# Altium PCB roach2.PcbDoc (part 1 of 39) (continued)
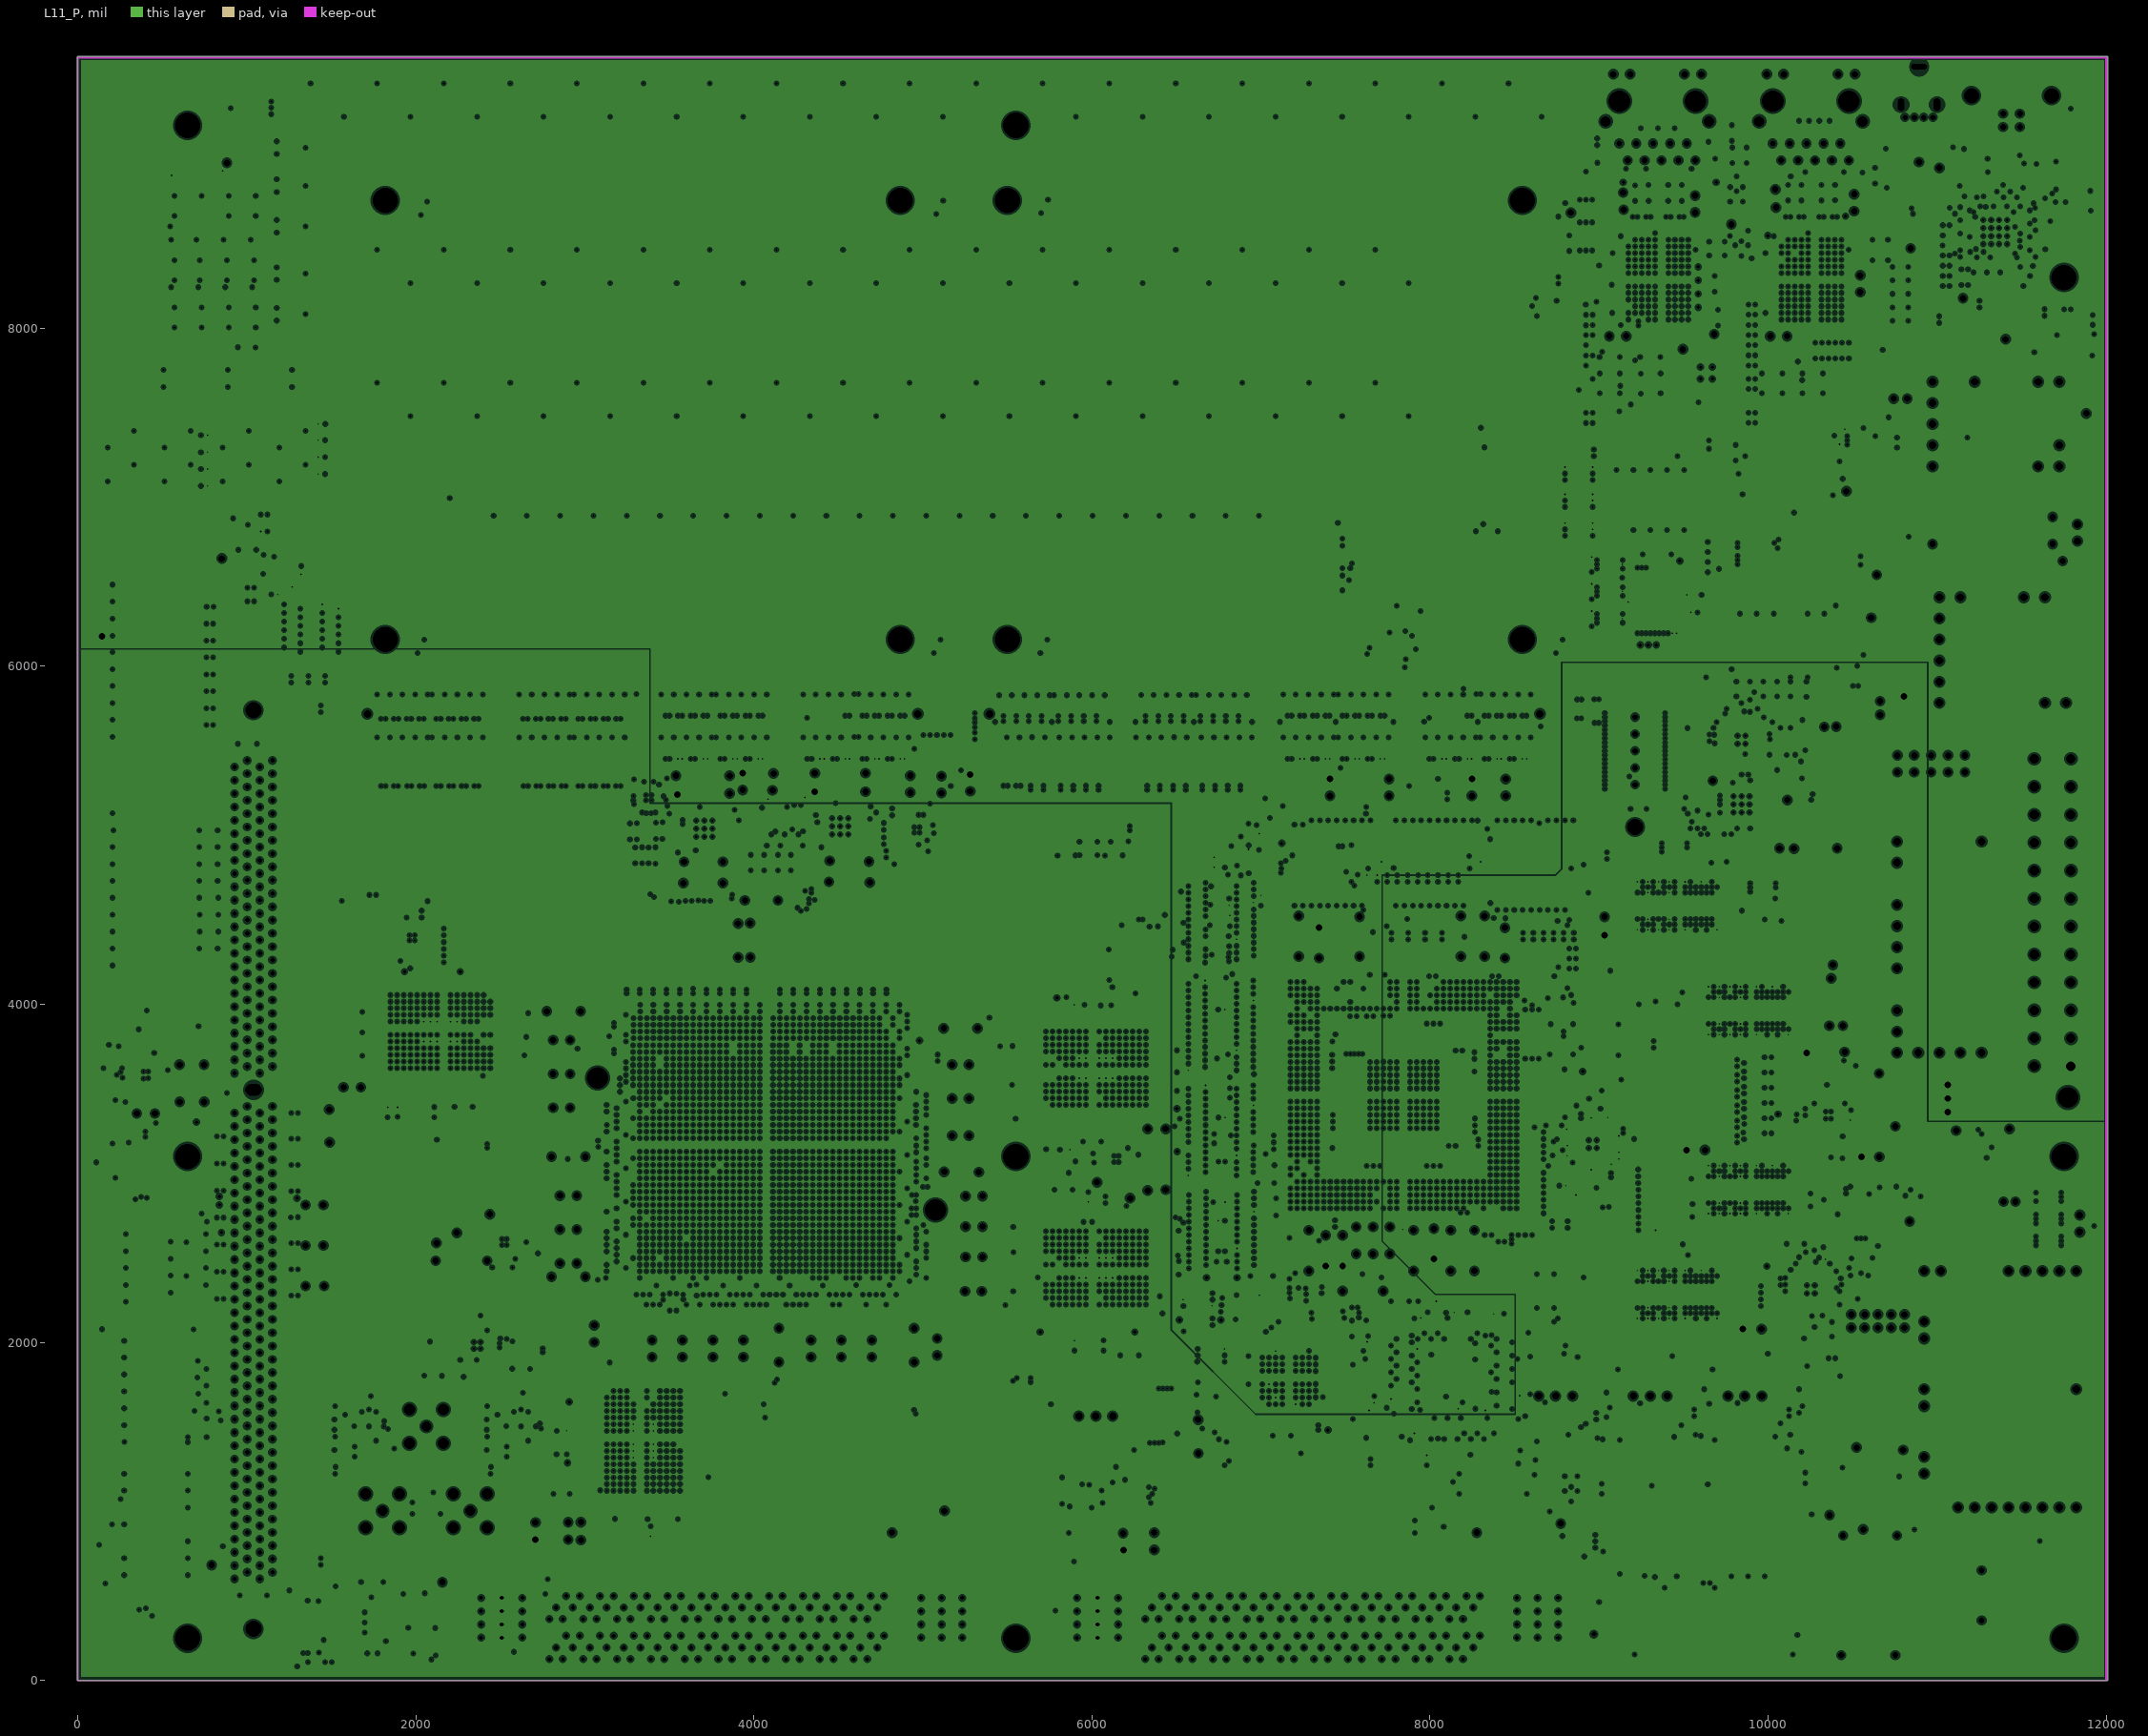
[diagram p11: L11_P, clearances drawn from the general rule]
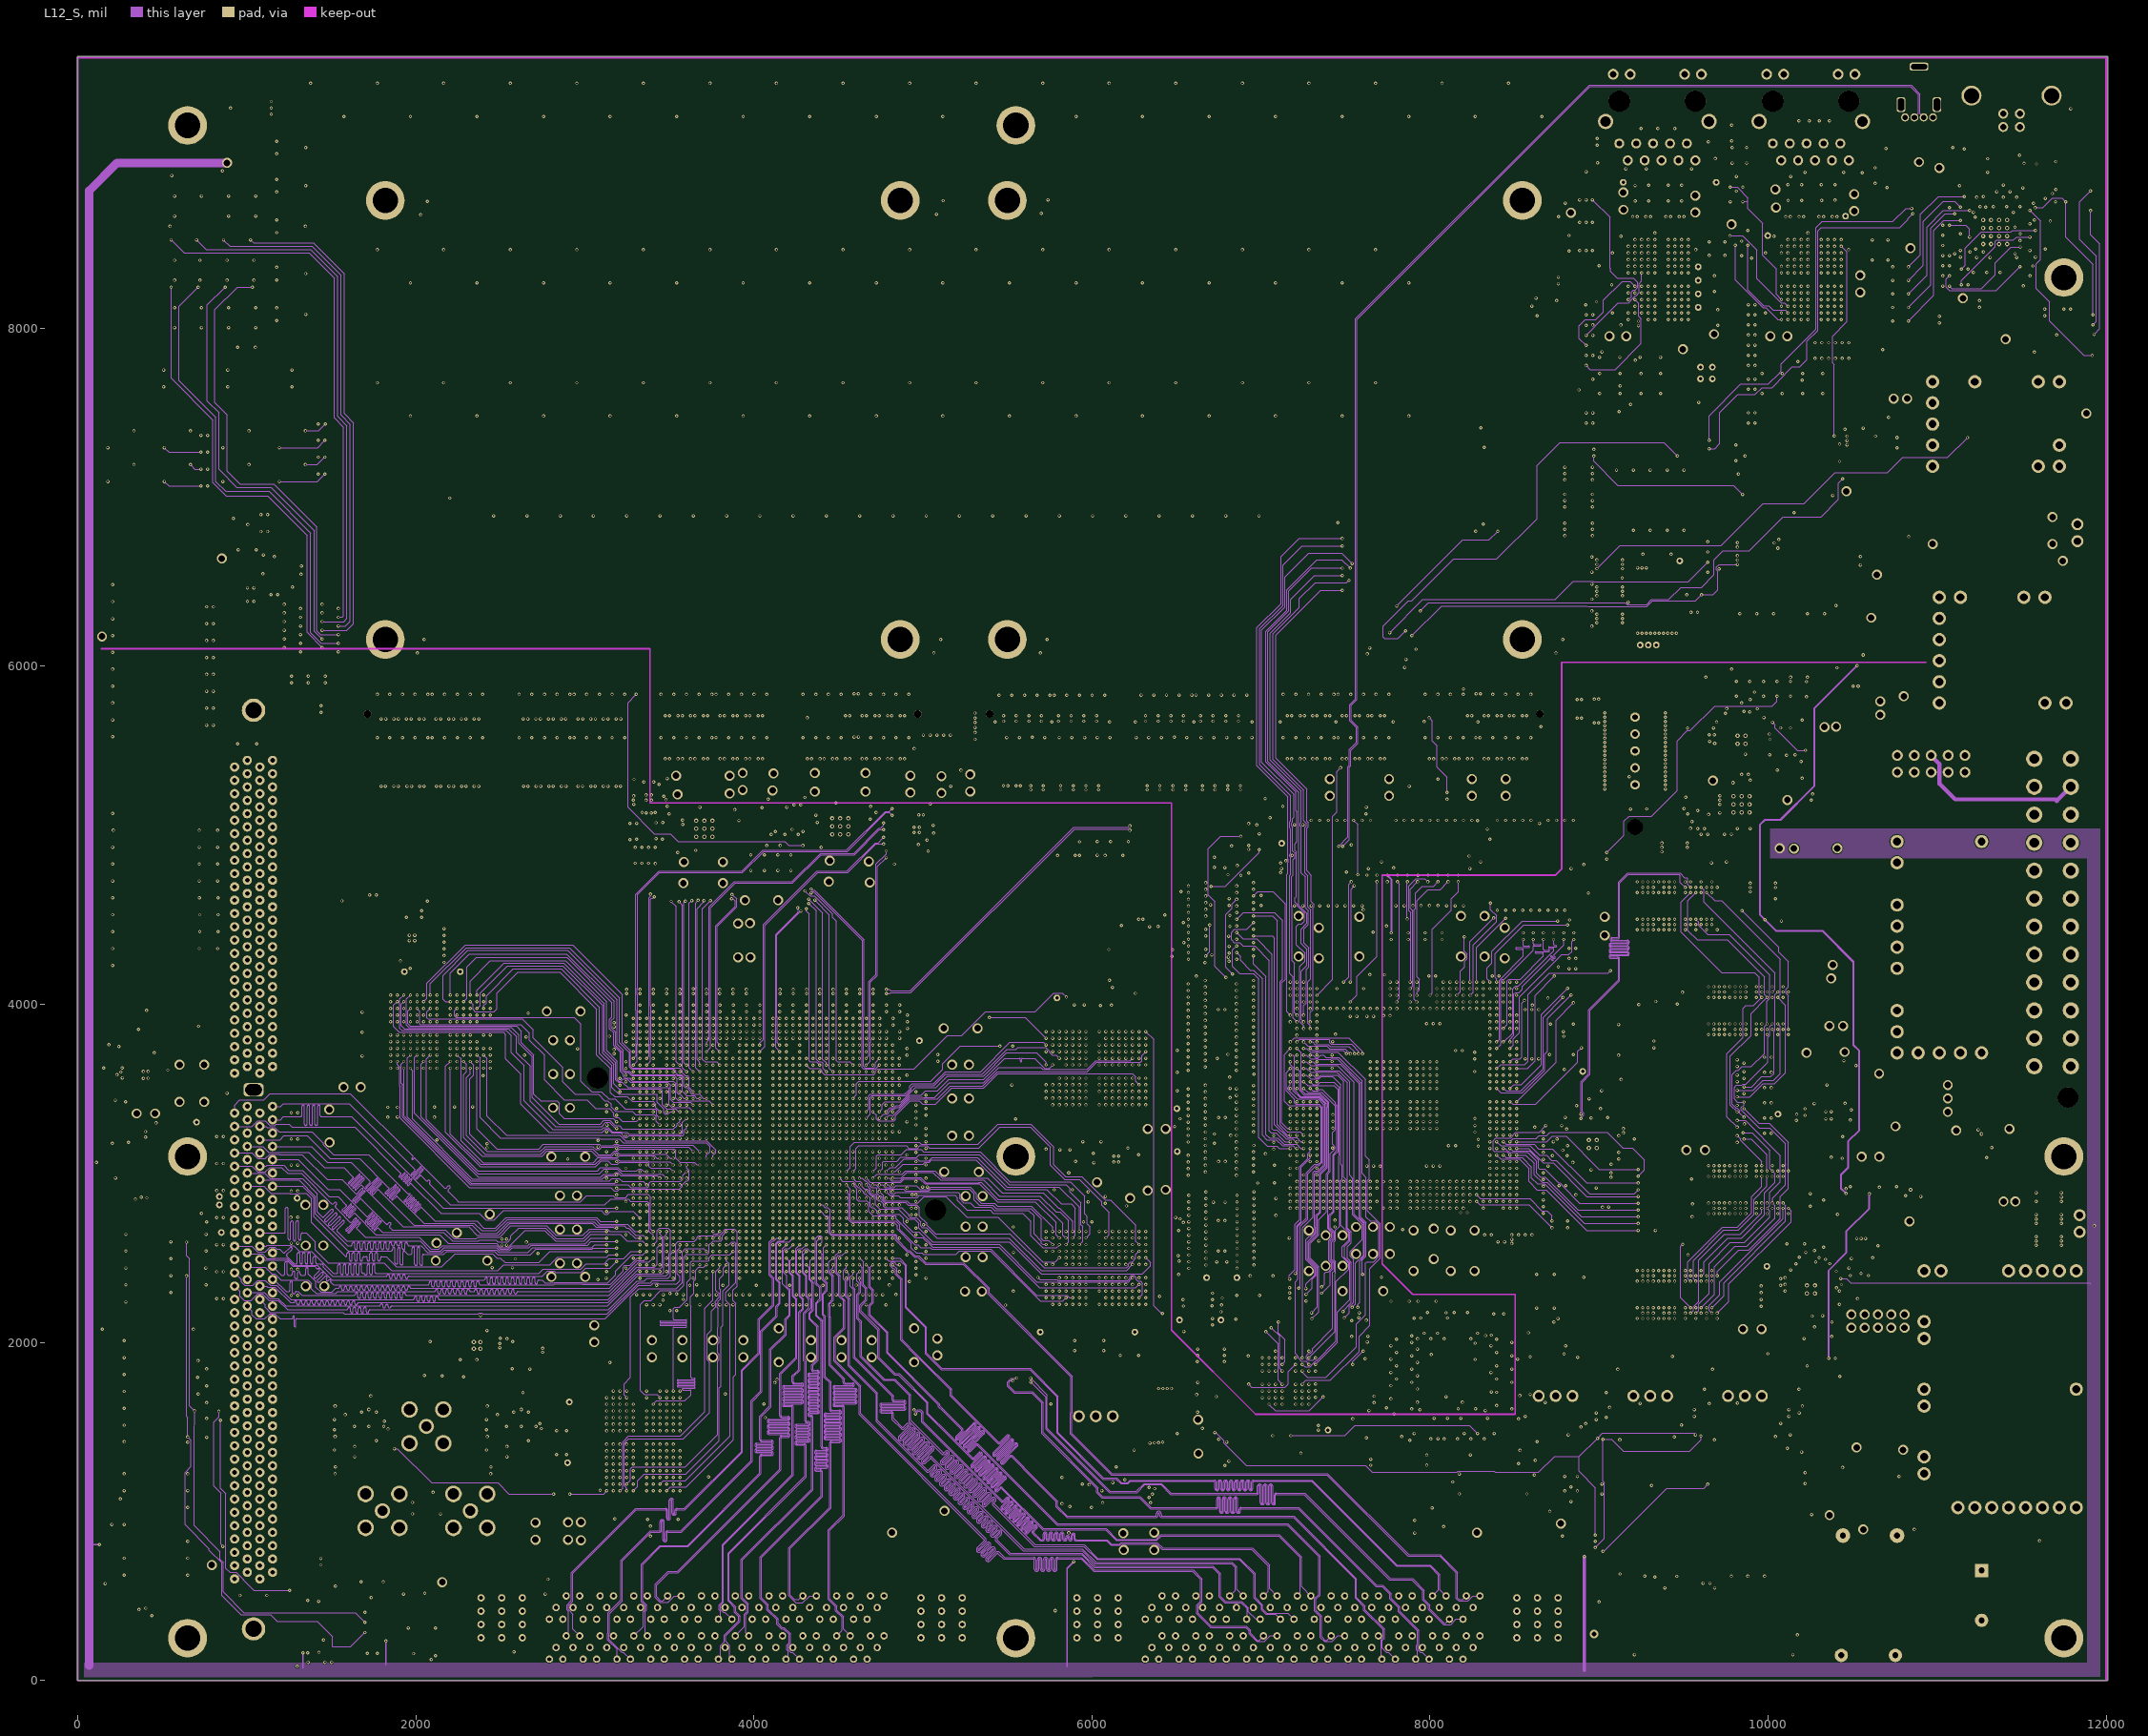
[diagram p12: L12_S]
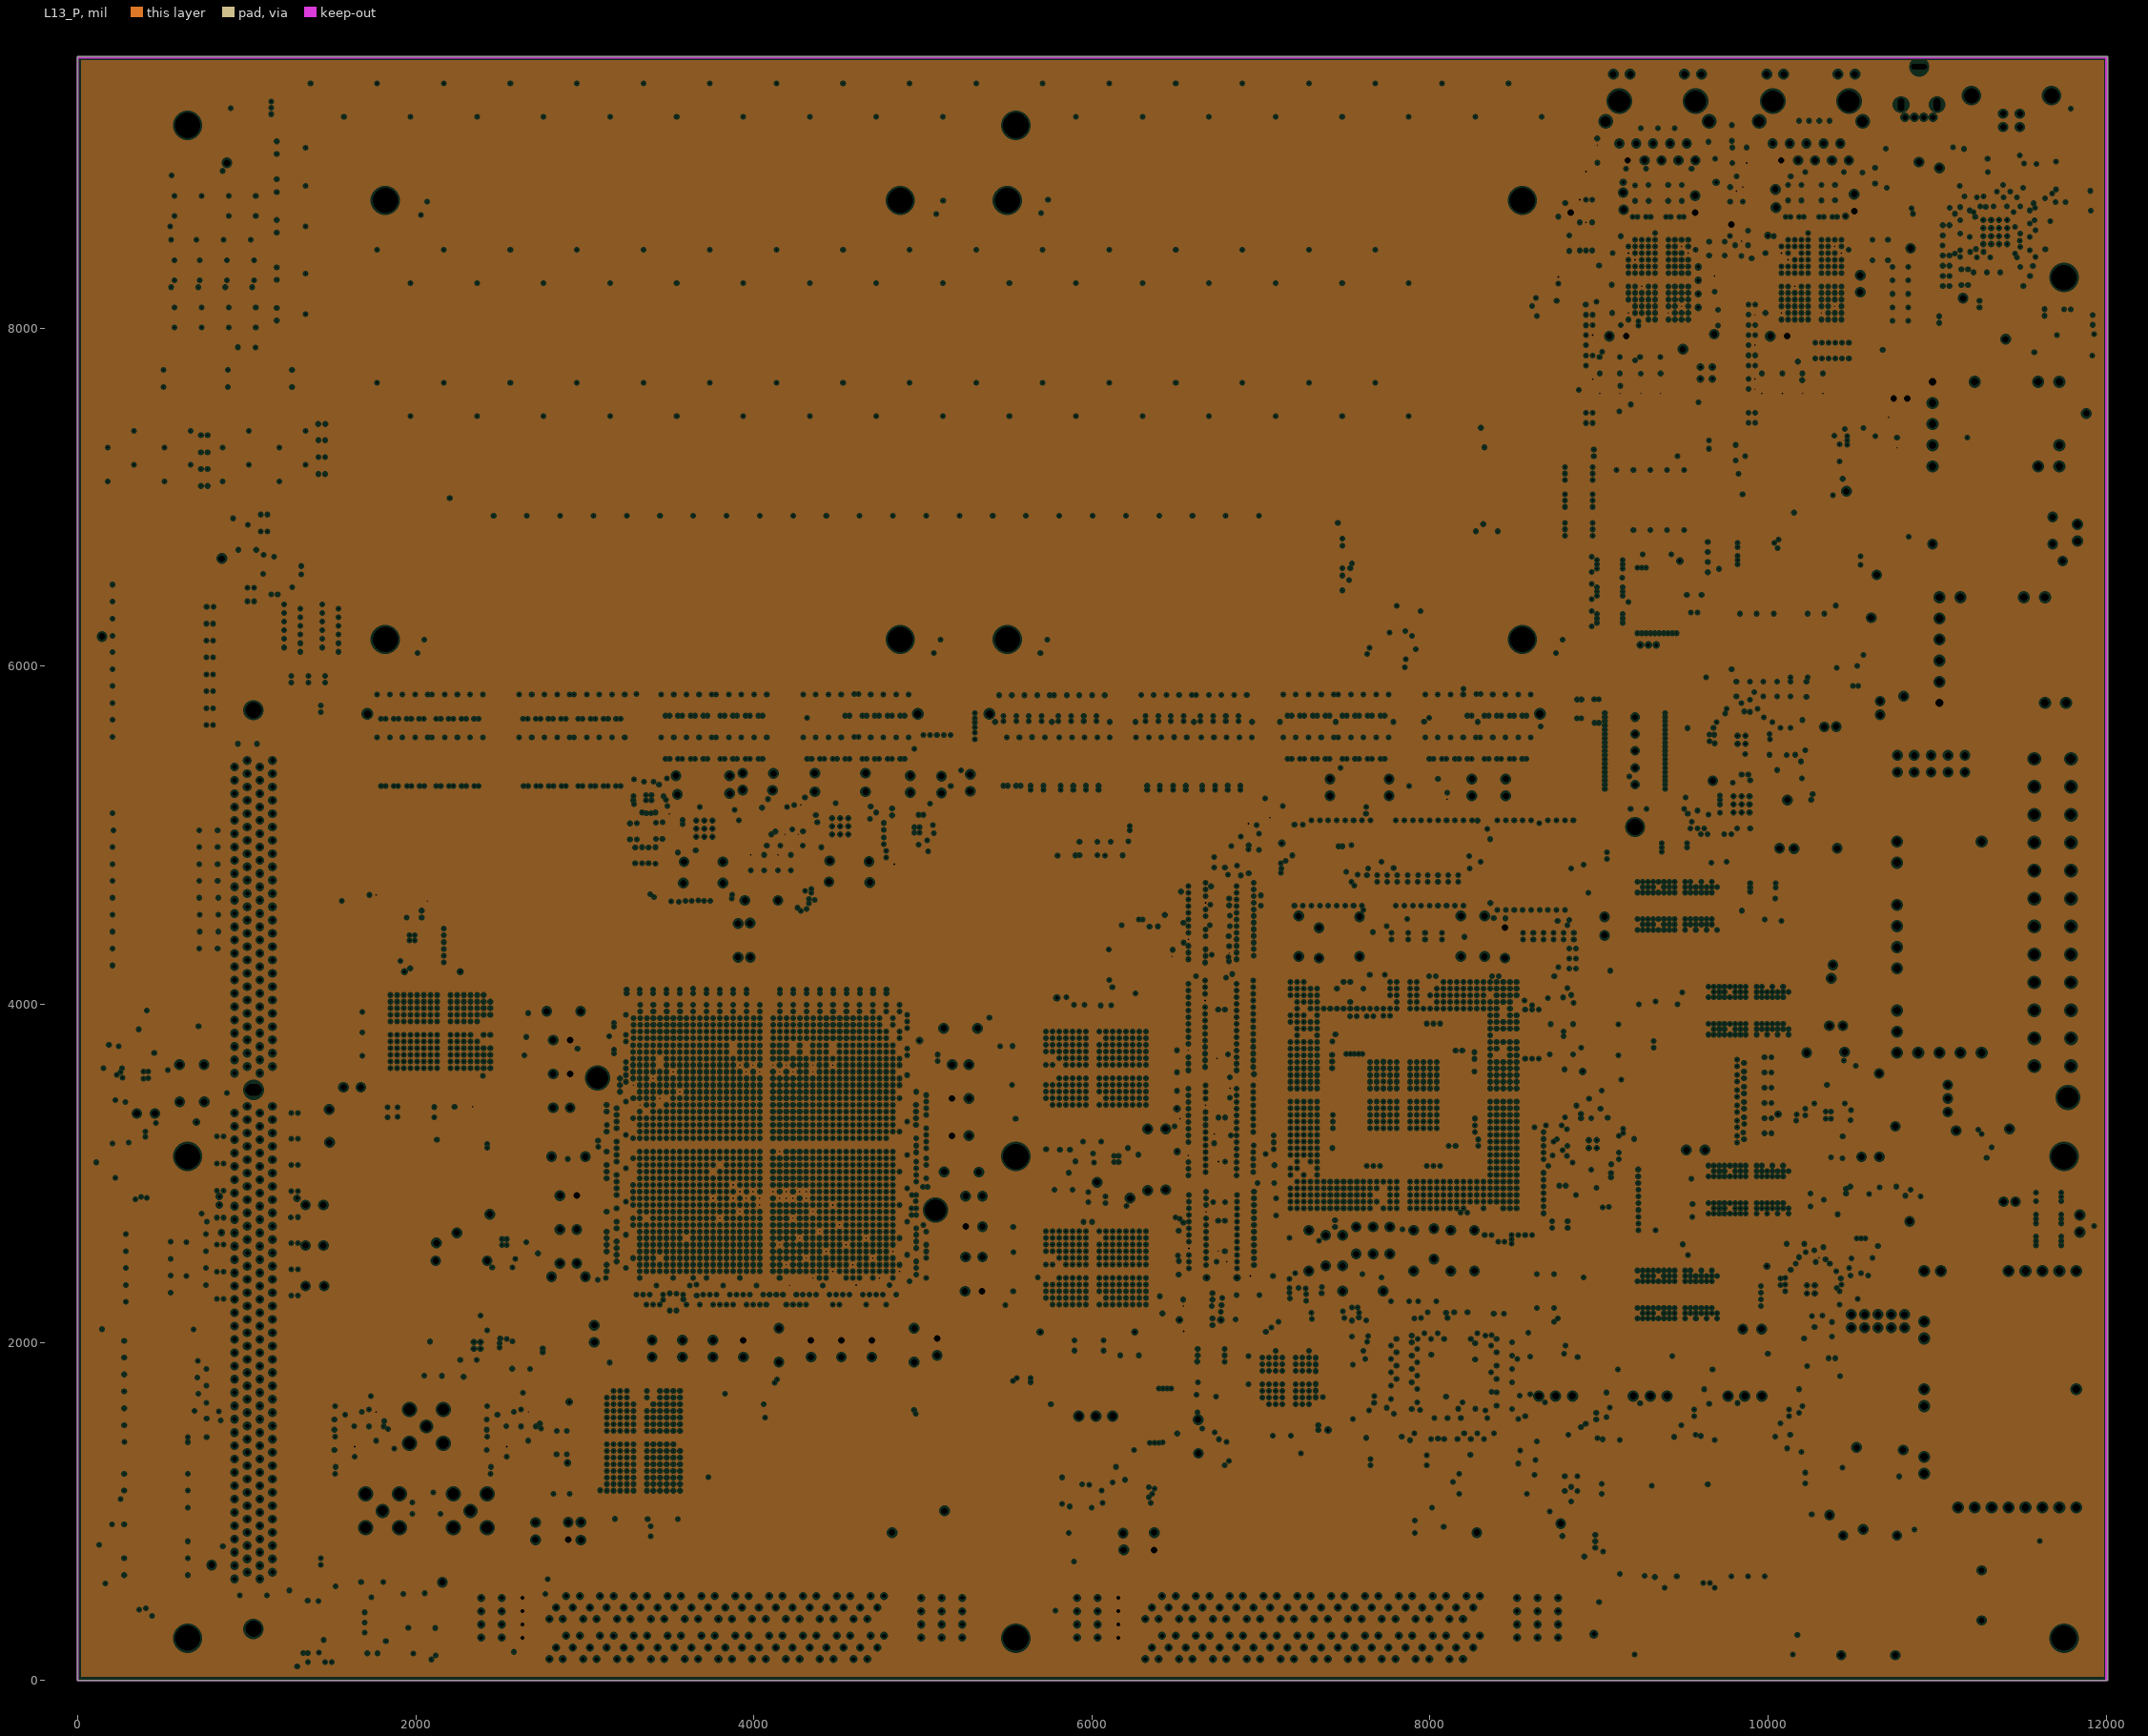
[diagram p13: L13_P, clearances drawn from the general rule]
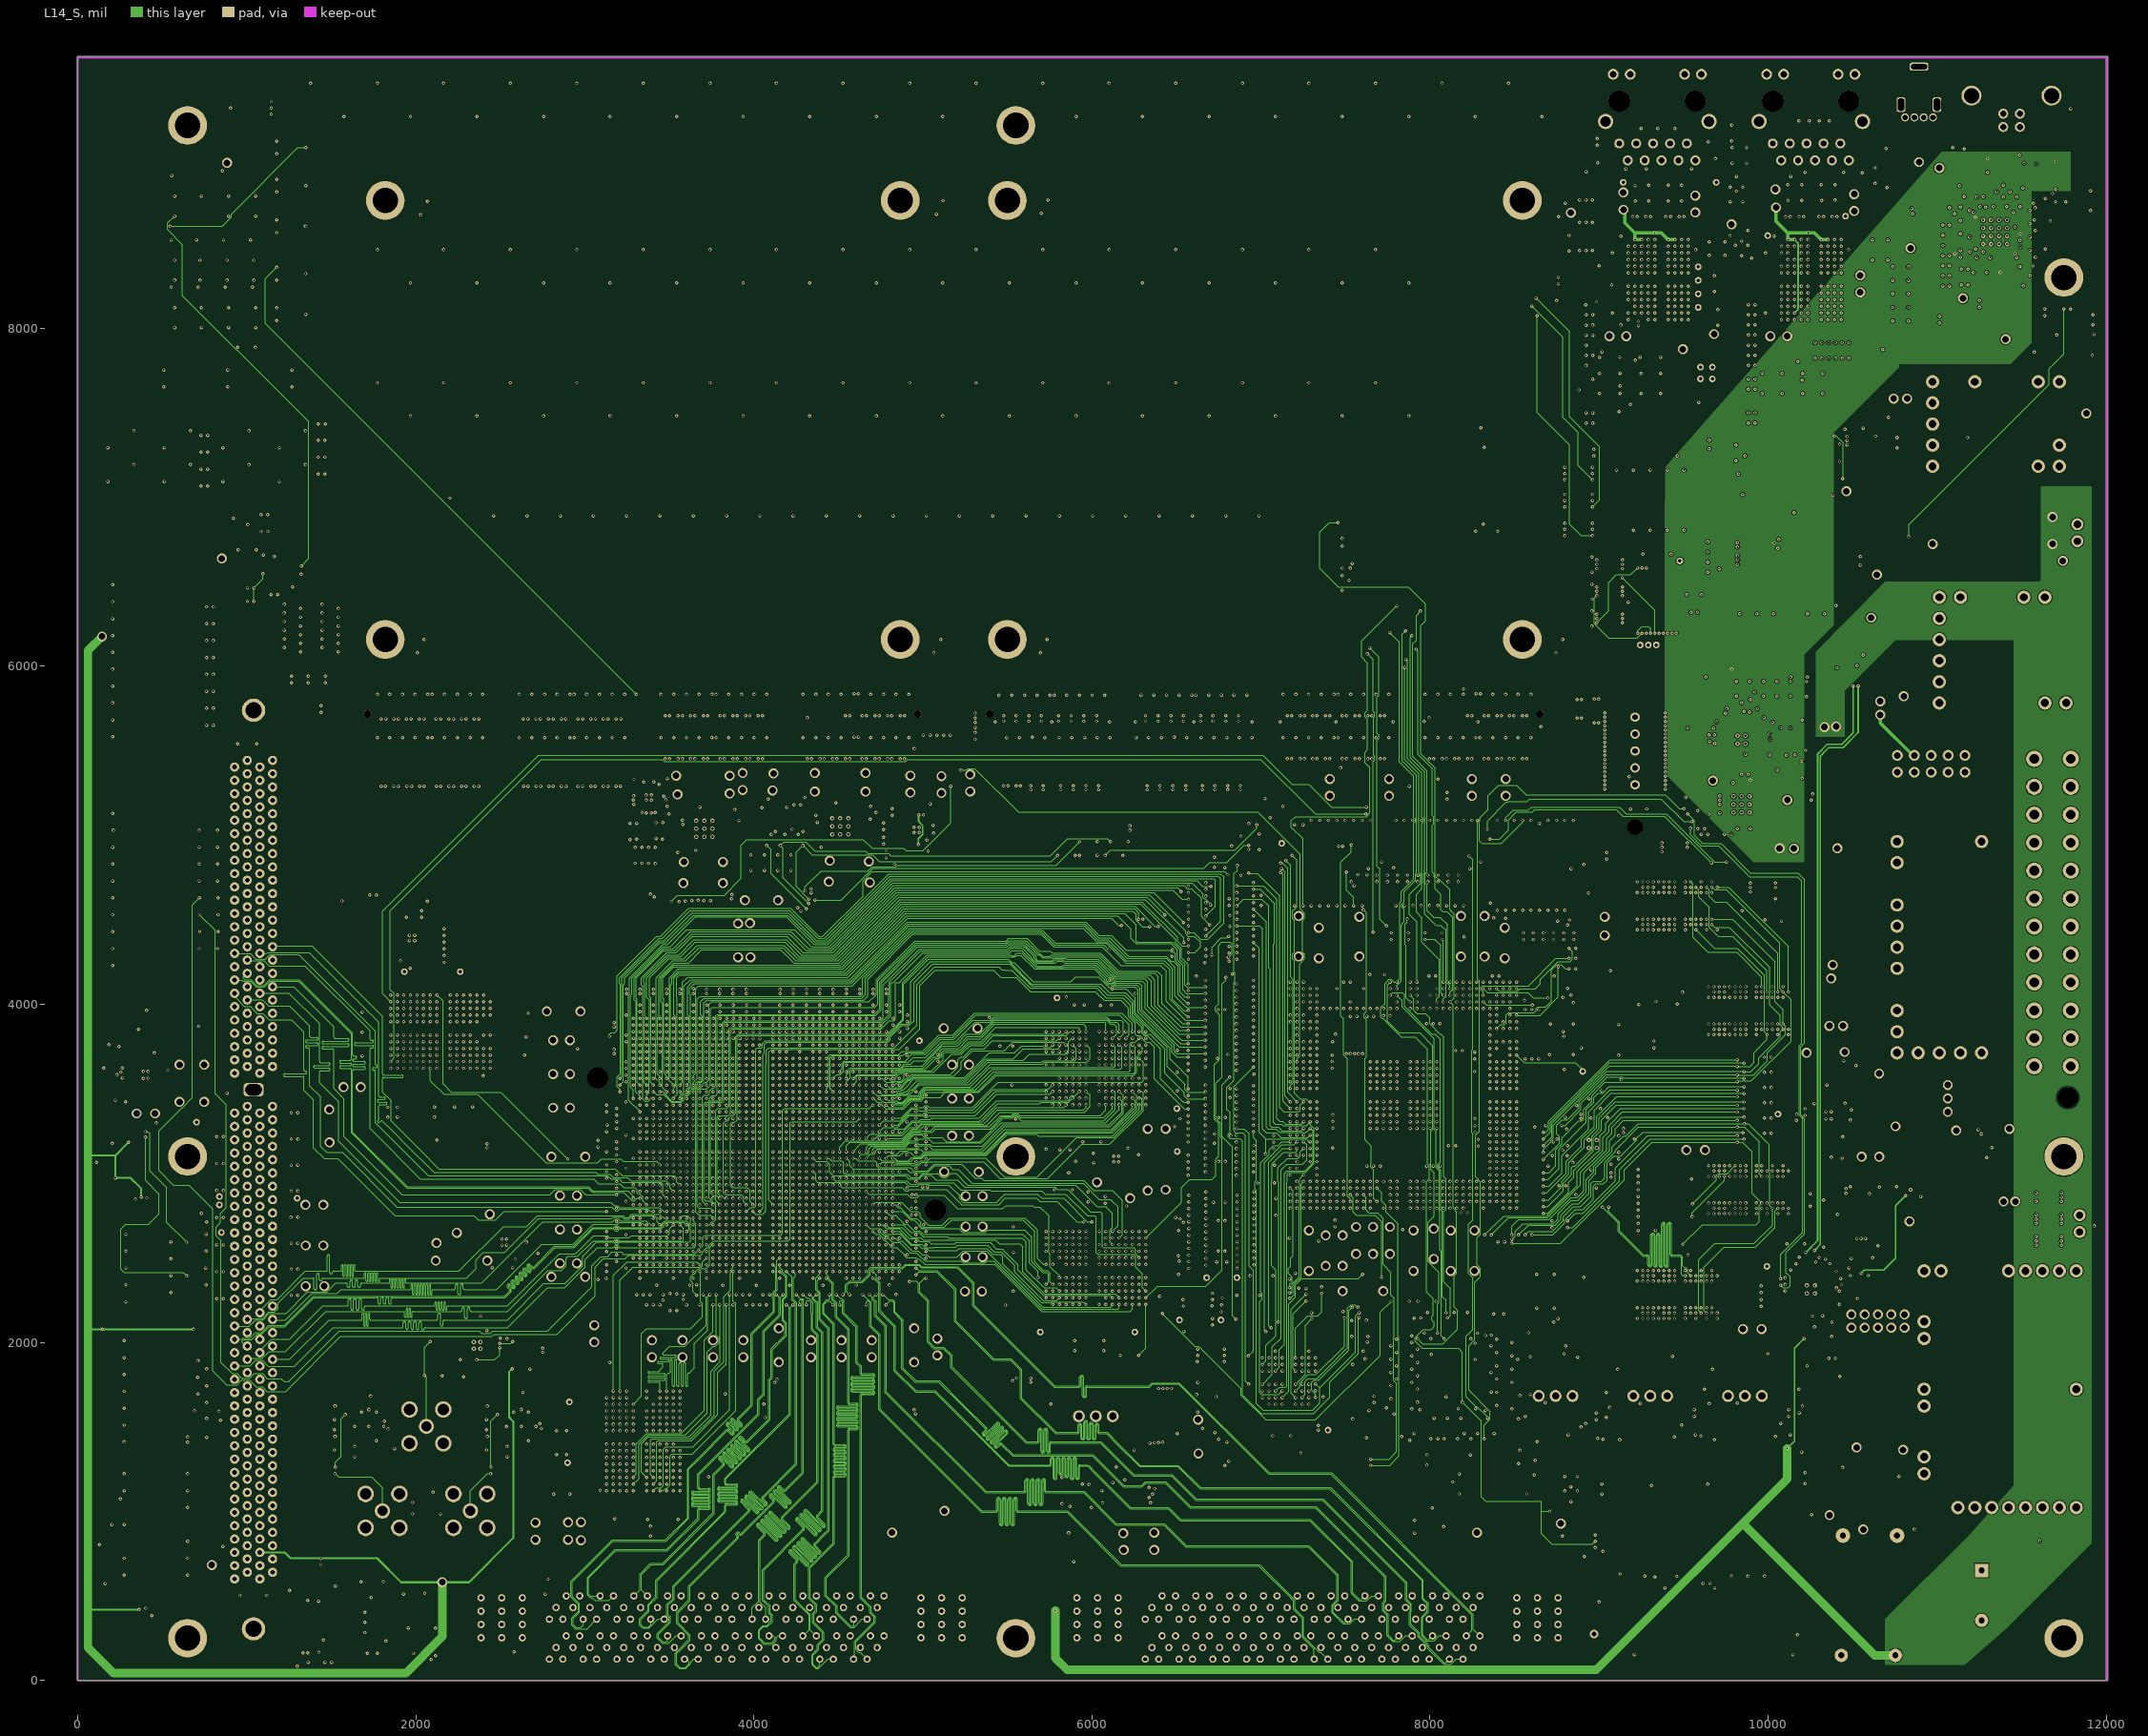
[diagram p14: L14_S]